# KiCad board forti EC.kicad_pcb (continued)
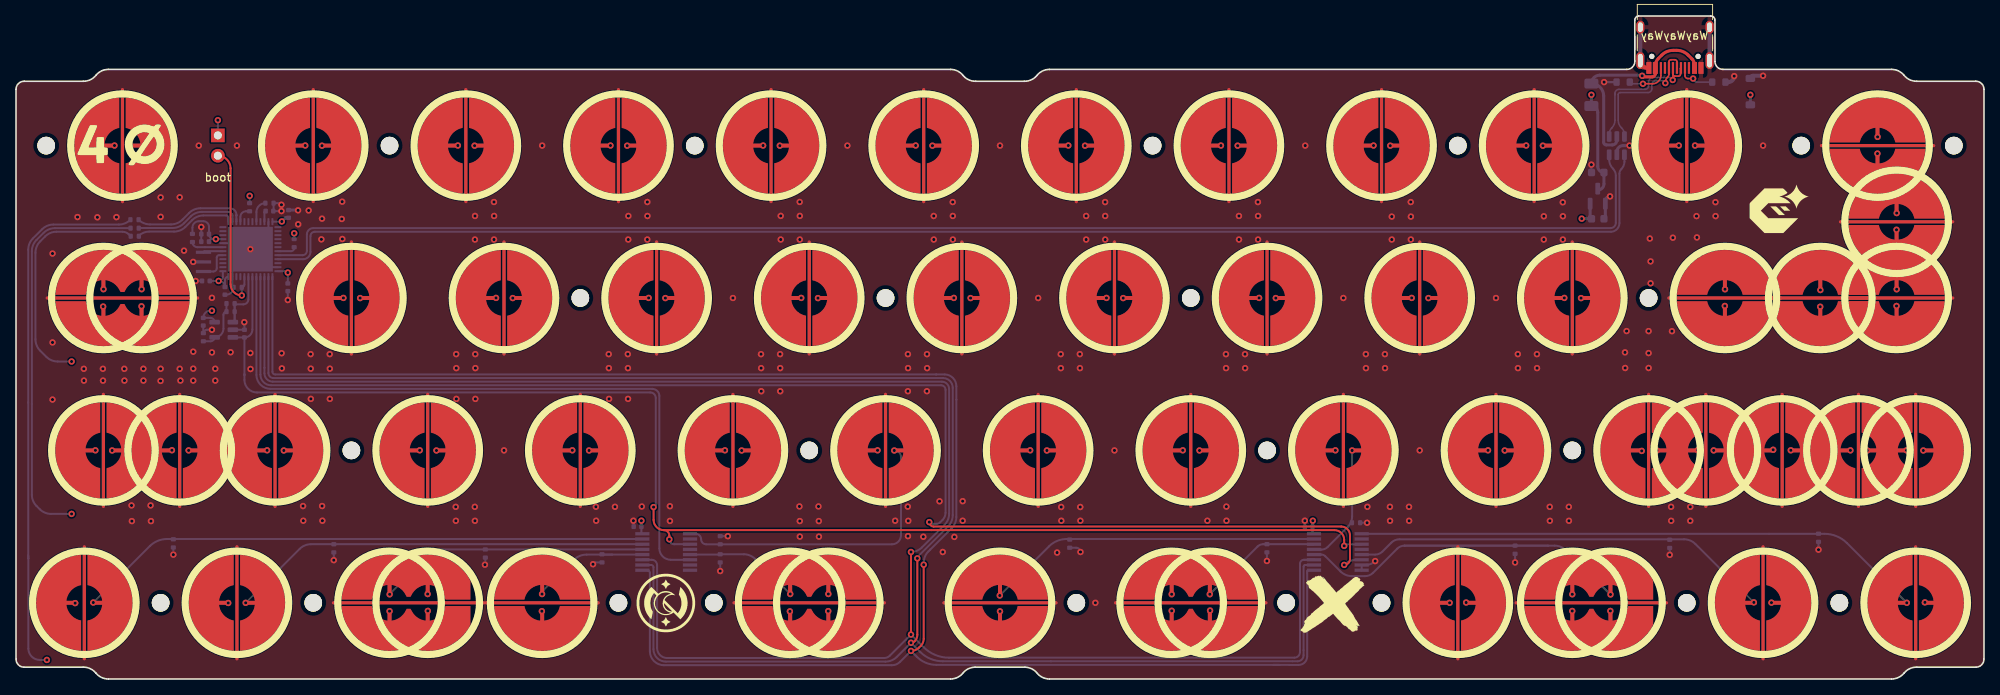
[diagram p0: board, top side]
## Routing (per net, layer and track width the routed paths; a pad name or vN(x,y) marks a point on that pad's centre or on a via; arc(x,y) is an arc through that point) (continued)
VBAT: length 30.8
  Bottom w0.25: C21.1 24.09,56.52 arc(23.88,57.02) 23.38,57.22 22.82,57.22 arc(22.25,56.99) 22.02,56.42 R24.1 ; C21.1 24.09,55.73 ; C21.1 arc(24.27,55.16) 24.72,54.98 v1(24.94,54.98) ; v1(25.29,49.76) C17.1 ; v1(25.29,49.76) 25.32,49.76 arc(25.86,49.53) C20.1 26.08,49.86 arc(26.21,50.16) U8.48 ; v1(25.29,49.76) arc(25.66,49.91) 25.82,50.29 U8.1 ; v1(24.94,54.98) 24.95,54.98 U8.9 ; v1(24.94,54.98) 24.4,54.98 arc(24.18,54.89) C22.1 ; U8.36 33.75,50.98 arc(33.87,50.92) v1(33.93,50.8) C19.1 ; v1(24.46,46.04) 24.27,46.04 arc(23.64,45.77) C3.2 24.26,45.14 arc(24.64,44.98) U3.5 ; v1(33.18,57.19) 33.17,57.19 33.17,57.16 U8.24 ; v1(78.06,19.79) C10.1 78.06,18.27 arc(78.1,18.18) U5.16 ; SW1.1 v1(25.19,69.85) ; R17.2 34.72,55.71 arc(34.72,55.71) v1(34.73,55.71) ; U7.16 arc(161.89,18.2) 161.83,18.33 C15.1 161.83,19.75 arc(161.84,19.78) v1(161.87,19.79)
  Bottom w0.381: U2.2 196.49,57.7 arc(196.54,57.58) C2.2 arc(196.66,57.54) 196.65,57.54 v1(195.44,57.54) ; C18.1 33.65,57.66 v1(33.18,57.19)
VBUS: length 27.9
  Top w0.381: J2.A4 209.53,76.72 arc(209.44,77.15) 209.2,77.51 208.71,78 arc(208.06,78.43) 207.3,78.58 206.85,78.58 arc(206.09,78.43) 205.44,78 204.99,77.55 arc(204.72,77.14) 204.63,76.66 J2.A9 204.63,75.66 arc(204.51,75.38) 204.23,75.27 203.12,75.27 arc(203.02,75.31) v1(202.98,75.4)
  Bottom w0.381: U1.5 199.82,67.34 arc(199.65,66.93) 199.24,66.76 198.49,66.76 arc(198.27,66.85) 198.18,67.08 198.18,72.89 arc(197.73,73.98) F1.1 arc(196.95,75.17) 197.7,75.48 202.91,75.48 arc(202.96,75.46) v1(202.98,75.4)
/CC1: length 4.8
  Top w0.2: J2.A5 208.33,75.42 arc(208.43,75.16) 208.69,75.06 v1(209.34,75.06)
  Bottom w0.2: R1.1 209.79,74.61 arc(209.47,74.74) v1(209.34,75.06)
/CC2: length 5.5
  Top w0.2: J2.B5 205.33,75.46 arc(205.02,74.71) 204.28,74.41 v1(203.08,74.41)
  Bottom w0.2: v1(203.08,74.41) 201.64,74.41 arc(201.5,74.47) R2.1
ADC: length 9.5
  Bottom w0.25: R6.1 27.29,44.83 ; R6.1 R26.1 27.29,44.83 ; R6.1 arc(27.32,46.86) 27.39,46.83 28.37,46.83 arc(28.82,47.02) 29.01,47.47 U8.43 ; 27.29,44.83 arc(27.23,44.67) U3.1
AMUX_SEL_0: length 242
  Top w0.25: v1(111.71,5.56) v1(111.71,15.88)
  Bottom w0.25: 160.87,14.9 U7.11 160.77,14.9 arc(160.42,14.75) 160.27,14.4 160.27,3.37 arc(160.06,2.87) 159.57,2.67 116.45,2.67 arc(114.74,3) 113.3,3.97 v1(111.71,5.56) 109.08,2.92 arc(108.75,2.7) 108.36,2.62 81.28,2.62 arc(80.39,2.99) 80.02,3.88 80.02,10.63 80.02,10.63 80.02,14.23 arc(79.82,14.7) 79.35,14.9 U5.11 ; U8.39 31.01,38.9 arc(31.01,38.89) 31.01,38.89 31.01,38.21 arc(31.31,37.47) 32.05,37.17 115.56,37.17 arc(116.21,36.9) 116.48,36.25 116.48,20.67 arc(116.32,19.91) 115.89,19.26 113.07,16.44 arc(112.45,16.02) v1(111.71,15.88)
AMUX_SEL_1: length 242.2
  Top w0.25: v1(112.51,15.08) 112.51,5.52 arc(112.42,5.08) 112.17,4.71 arc(111.97,4.58) 111.74,4.53 v1(111.71,4.53)
  Bottom w0.25: U5.10 79.28,14.25 arc(79.49,14.17) 79.57,13.96 79.57,12.44 79.57,12.44 79.57,3.72 arc(80.02,2.62) 81.12,2.17 108.52,2.17 arc(109.29,2.32) 109.94,2.76 v1(111.71,4.53) 112.86,3.38 arc(114.15,2.52) 115.68,2.22 129.18,2.22 129.18,2.21 159.34,2.21 159.97,2.21 arc(160.5,2.43) 160.72,2.97 160.72,3.59 160.72,14.05 arc(160.78,14.19) 160.93,14.25 U7.10 160.87,14.25 160.82,14.2 ; v1(112.51,15.08) 112.51,15.24 116.34,19.07 arc(116.77,19.72) 116.93,20.49 116.93,36.4 arc(116.57,37.26) 115.71,37.62 32.13,37.62 arc(31.69,37.8) 31.51,38.25 U8.38
AMUX_SEL_2: length 242
  Top w0.25: v1(113.3,14.29) 113.3,5.01 arc(113.21,4.55) 112.94,4.16 112.71,3.92 arc(112.25,3.61) v1(111.71,3.51)
  Bottom w0.25: U5.9 78.79,13.6 arc(79.02,13.5) 79.12,13.27 79.12,3.49 arc(79.64,2.24) 80.88,1.72 109.32,1.72 arc(109.88,1.83) 110.36,2.15 v1(111.71,3.51) 112.44,2.78 arc(113.56,2.03) 114.89,1.77 126,1.77 126,1.76 156.96,1.76 ; 161.17,13.49 161.17,2.83 arc(160.85,2.07) 160.09,1.75 158.95,1.75 158.94,1.76 156.96,1.76 ; 157.75,1.76 156.96,1.76 ; v1(113.3,14.29) 113.3,14.53 arc(113.45,15.29) 113.89,15.94 114.11,16.16 116.79,18.85 arc(117.22,19.5) 117.38,20.26 117.38,34.92 117.38,34.93 117.38,36.6 arc(116.95,37.64) 115.91,38.07 114.86,38.07 32.34,38.07 arc(32.1,38.17) 32.01,38.4 U8.37 ; U7.9 161.3,13.6 arc(161.21,13.56) 161.17,13.47
APLEX_EN_PIN_0: length 87.8
  Bottom w0.25: U5.6 81.73,14.9 arc(80.72,15.32) 80.31,16.33 80.31,35.38 arc(80.04,36.01) 79.41,36.27 31.76,36.27 arc(30.52,36.78) 30.01,38.02 U8.41
APLEX_EN_PIN_1: length 177
  Top w0.25: v1(165.79,14.26) arc(166.3,14.47) 166.51,14.99 166.51,17.96 arc(166.19,18.74) 165.42,19.06 114.55,19.06 arc(114.16,19.22) v1(114,19.61)
  Bottom w0.25: U8.40 30.51,38.05 arc(30.9,37.11) 31.84,36.72 115.46,36.72 arc(115.86,36.55) 116.03,36.15 116.03,20.79 arc(115.93,20.3) 115.65,19.88 115.36,19.59 arc(115.15,19.45) 114.89,19.4 114.51,19.4 arc(114.23,19.45) v1(114,19.61) ; v1(165.79,14.26) 165.82,14.29 arc(166.47,14.72) 167.23,14.88 167.97,14.88
APLEX_OUT_PIN_0: length 178.2
  Top w0.25: v1(79.58,21.49) 79.58,19.9 arc(79.96,18.98) 80.87,18.61 ; 80.87,18.61 115.04,18.61 115.05,18.61 164.58,18.61 arc(165.43,18.25) 165.79,17.4 v1(165.79,16.64) ; 80.87,18.61 arc(81.35,18.41) 81.55,17.93 v1(81.55,17.46)
  Bottom w0.25: 28.51,37.99 28.51,38.1 ; 28.51,38.1 C4.1 ; 28.51,38.1 28.51,37.39 arc(28.97,36.28) 30.08,35.82 79.17,35.82 arc(79.65,35.62) 79.86,35.13 79.86,21.76 arc(79.78,21.57) v1(79.58,21.49) ; C4.1 27.08,42.69 U3.3 ; C4.1 arc(29.21,42.98) 29.51,43.69 U8.42 ; v1(165.79,16.64) 165.97,16.82 167.97,16.82 ; U5.3 82.16,16.85 arc(81.73,17.03) v1(81.55,17.46)
BOOT0: length 21.7
  Top w0.25: v1(28.18,47.94) arc(27.19,48.35) 26.78,49.34 26.78,63.82 arc(26.32,64.95) SW1.2
  Bottom w0.25: U8.44 28.51,49.29 arc(28.41,49.06) R27.1 28.18,47.95 arc(28.18,47.94) v1(28.18,47.94)
BOOT1: length 3
  Bottom w0.25: U8.20 30.01,58.36 arc(30.33,59.15) R25.2
COL0: length 172
  In2.Cu w0.5: 13.29,50.8 12.5,50.8 arc(11.38,50.34) 10.92,49.21 v1(10.92,48.73) ; 13.29,50.8 14.05,50.8 arc(15.2,50.32) 15.67,49.17 v1(15.67,48.73) ; 13.29,50.8 13.29,53.98 arc(13.52,54.54) 14.08,54.77 17.26,54.77 ; 15.67,28.6 15.67,13.96 arc(14.37,10.83) 11.23,9.53 9.72,9.53 arc(9.68,9.53) v1(9.65,9.56) ; 15.67,28.6 15.67,34.89 arc(16.01,35.72) 16.84,36.06 22.72,36.06 arc(23.35,36.32) 23.61,36.95 23.61,53.98 arc(23.37,54.54) 22.81,54.77 17.26,54.77 ; 15.67,28.6 12.07,28.6 arc(12.03,28.59) v1(12,28.57) ; 15.67,28.6 v1(19.46,28.6) ; 17.26,54.77 17.64,54.77 arc(18.76,55.23) 19.23,56.36 19.23,60.91 arc(19.06,61.75) 18.59,62.45 14.38,66.66 v1(14.2,66.66)
  Bottom w0.25: U5.15 18.84,17.5 arc(17.68,17.27) 16.7,16.61 v1(9.65,9.56)
COL1: length 120.4
  In2.Cu w0.5: v1(28.67,9.52) 30.37,9.52 arc(35.14,11.5) 37.12,16.27 37.12,24.05 arc(36.96,24.81) 36.53,25.46 v1(33.43,28.57) 37.31,32.44 arc(37.74,33.09) 37.89,33.86 37.89,43.83 arc(38.05,44.6) 38.48,45.25 v1(40.87,47.63) 40.07,48.43 arc(39.63,49.08) 39.48,49.85 39.48,64.55 arc(39.33,65.31) 38.9,65.96 v1(38.19,66.67)
  Bottom w0.25: U5.14 36.82,16.85 arc(36.05,16.7) 35.41,16.26 v1(28.67,9.52)
COL2: length 106.6
  In2.Cu w0.5: 49.04,11.91 49.04,13.46 arc(49.28,14.04) 49.87,14.29 55.36,14.29 arc(55.92,14.52) 56.15,15.08 56.15,24.07 arc(56,24.83) 55.56,25.48 v1(52.48,28.57) 55.56,31.65 arc(56,32.3) 56.15,33.07 56.15,43.04 arc(56.3,43.81) 56.74,44.46 v1(59.92,47.63) 59.12,48.43 arc(58.68,49.08) 58.53,49.85 58.53,64.55 arc(58.38,65.31) 57.95,65.96 v1(57.24,66.67) ; 49.04,11.91 48.28,11.91 arc(47.52,11.75) 46.87,11.32 46.64,11.1 46.64,10.58 ; 49.04,11.91 49.8,11.91 arc(50.57,11.75) 51.21,11.32 51.42,11.11 51.42,10.57
  Bottom w0.25: 46.61,10.58 46.61,10.59 v1(46.64,10.59) 46.64,10.62 51.64,15.61 arc(52.28,16.05) 53.05,16.2 U5.13
  vias: v1(51.38,10.62)
COL3: length 81.6
  In2.Cu w0.5: v1(76.29,66.67) 77,65.96 arc(77.43,65.31) 77.58,64.55 77.58,49.85 arc(77.73,49.08) 78.17,48.43 v1(78.97,47.63) 75.79,44.46 arc(75.35,43.81) 75.2,43.04 75.2,33.07 arc(75.05,32.3) 74.61,31.65 v1(71.53,28.57) 73.03,27.07 arc(73.46,26.42) 73.61,25.65 73.61,15.08 arc(73.15,13.96) 72.03,13.49 69.36,13.49 arc(68.6,13.34) 67.95,12.91 v1(65.66,10.62)
  Bottom w0.25: 65.76,11.03 69.61,14.88 arc(70.35,15.38) 71.23,15.55 74.41,15.55 ; 74.41,15.55 73.18,15.55 R8.1 ; 74.41,15.55 U5.12
COL4: length 84.3
  In2.Cu w0.5: v1(95.34,66.67) 96.05,65.96 arc(96.48,65.31) 96.63,64.55 96.63,49.85 arc(96.78,49.08) 97.22,48.43 v1(98.02,47.63) 94.84,44.46 arc(94.4,43.81) 94.25,43.04 94.25,33.07 arc(94.1,32.3) 93.66,31.65 v1(90.58,28.57) 92.64,28.57 arc(93.4,28.41) 94.05,27.98 98.43,23.6 arc(98.86,22.96) 99.01,22.19 99.01,11.91 ; 99.01,11.91 99.77,11.91 arc(100.54,11.75) 101.19,11.32 101.4,11.11 v1(101.4,10.63) ; 99.01,11.91 98.25,11.91 arc(97.49,11.75) 96.84,11.32 96.64,11.12 v1(96.64,10.63)
  Bottom w0.25: v1(96.64,10.63) 92.26,15.01 arc(91.61,15.44) 90.85,15.59 R18.1 87.86,15.55 U5.5
COL5: length 80.7
  In2.Cu w0.5: v1(114.39,66.67) 115.1,65.96 arc(115.53,65.31) 115.68,64.55 115.68,49.85 arc(115.83,49.08) 116.27,48.43 v1(117.07,47.63) 113.09,43.66 arc(112.66,43.01) 112.51,42.25 112.51,32.27 arc(112.35,31.51) 111.92,30.86 v1(109.63,28.57)
  Bottom w0.25: U5.1 84.83,18.15 arc(85.32,17.95) 85.52,17.46 arc(85.7,17.02) 86.15,16.84 R9.1 109.33,16.84 arc(110.13,17.17) 110.46,17.97 110.46,27.73 arc(110.22,28.32) v1(109.63,28.57)
COL6: length 109.5
  In2.Cu w0.5: v1(122.8,10.43) 125.78,10.43 arc(129.87,12.13) 131.56,16.21 131.56,24.86 arc(131.4,25.62) 130.97,26.27 v1(128.68,28.57) 130.97,30.86 arc(131.4,31.51) 131.56,32.27 131.56,42.25 arc(131.71,43.01) 132.14,43.66 v1(136.12,47.63) 135.32,48.43 arc(134.88,49.08) 134.73,49.85 134.73,64.55 arc(134.58,65.31) 134.15,65.96 v1(133.44,66.67)
  Bottom w0.25: v1(122.8,10.43) 128.94,16.58 arc(129.96,17.26) 131.15,17.5 U7.15
COL7: length 82.4
  In2.Cu w0.5: 146.64,11.91 145.88,11.91 arc(145.11,11.75) 144.46,11.32 144.25,11.11 v1(144.25,10.59) ; 146.64,11.91 147.4,11.91 arc(148.16,11.75) 148.81,11.32 149.01,11.12 v1(149.01,10.59) ; 146.64,11.91 149.23,14.5 arc(149.66,15.14) 149.81,15.91 149.81,25.65 arc(149.66,26.42) 149.23,27.07 v1(147.73,28.57) 151.61,32.44 arc(152.04,33.09) 152.19,33.86 152.19,43.83 arc(152.35,44.6) 152.78,45.25 v1(155.17,47.63) 154.37,48.43 arc(153.93,49.08) 153.78,49.85 153.78,64.55 arc(153.63,65.31) 153.2,65.96 v1(152.49,66.67)
  Bottom w0.25: v1(149.01,10.59) 154.97,16.55 arc(155.3,16.77) 155.69,16.85 U7.14
COL8: length 84.3
  In2.Cu w0.5: v1(171.54,66.67) 172.25,65.96 arc(172.68,65.31) 172.83,64.55 172.83,49.85 arc(172.98,49.08) 173.42,48.43 v1(174.22,47.63) 170.24,43.66 arc(169.81,43.01) 169.66,42.25 169.66,32.27 arc(169.5,31.51) 169.07,30.86 v1(166.78,28.57) 172.25,23.1 arc(172.68,22.45) 172.83,21.68 172.83,18.26 ; 172.83,17.5 172.83,18.26 ; 172.83,18.26 172.83,11.91 arc(173.53,10.22) 175.21,9.53 v1(178.95,9.53)
  Bottom w0.25: 162.02,16.17 162.94,16.17 arc(163.36,16.26) 163.72,16.5 166.24,19.01 arc(166.64,19.61) 166.78,20.32 v1(166.78,28.57)
COL9: length 138.1
  In2.Cu w0.5: 199.03,10.57 199.02,10.57 v1(199.03,10.57) 199.03,10.57 199.03,10.57 199.03,11.11 198.82,11.32 arc(198.17,11.75) 197.41,11.91 196.65,11.91 ; 196.65,11.91 195.89,11.91 arc(195.12,11.75) 194.47,11.32 194.22,11.07 194.22,10.63 194.2,10.61 194.26,10.54 v1(194.26,10.59) 194.22,10.59 194.22,10.58 ; 196.65,11.91 arc(196.18,13.03) 195.06,13.49 194.26,13.49 arc(193.14,13.96) 192.68,15.08 192.68,20.89 arc(192.52,21.66) 192.09,22.3 v1(185.83,28.57) 188.12,30.86 arc(188.55,31.51) 188.71,32.27 188.71,42.25 arc(188.86,43.01) 189.29,43.66 v1(193.27,47.63) 192.47,48.43 arc(192.03,49.08) 191.88,49.85 191.88,64.55 arc(191.73,65.31) 191.3,65.96 v1(190.59,66.67)
  Bottom w0.25: 173.31,16.67 R14.1 191.25,16.67 ; 191.25,16.67 192.07,16.67 arc(192.83,16.52) 193.48,16.08 ; 191.25,16.67 173.31,16.67 arc(172.82,16.57) 172.41,16.3 169.38,13.27 arc(168.93,12.96) 168.39,12.86 166.76,12.86 arc(165.99,13.01) 165.33,13.45 163.42,15.36 arc(163.2,15.5) 162.95,15.55 U7.12 ; 193.48,16.08 198.97,10.59 arc(199,10.57) v1(199.03,10.57) ; 193.48,16.08 198.96,10.61
COL10: length 147.1
  In2.Cu w0.5: v1(204.81,28.57) 209.89,28.57 v1(209.92,28.6) ; 201.94,45.24 201.94,54.77 arc(202.04,55.26) 202.31,55.68 202.41,55.77 arc(203.06,56.2) 203.82,56.36 209.31,56.36 arc(210.46,56.83) 210.93,57.98 210.93,64.51 arc(210.78,65.27) 210.35,65.92 v1(209.58,66.68) ; 201.94,45.24 211.69,45.24 arc(212.46,45.4) 213.1,45.83 arc(213.25,46.05) 213.3,46.31 v1(213.3,46.63) ; 201.94,45.24 201.94,39.19 arc(202.49,37.86) 203.82,37.31 206.17,37.31 arc(207.29,36.84) 207.76,35.72 207.76,28.58 ; 207.82,28.51 207.76,28.58 ; 207.76,28.58 207.76,13.49 arc(208.22,12.37) 209.34,11.91 214.6,11.91 arc(216.24,11.22) v1(216.93,9.58)
  Bottom w0.25: U7.5 169.66,15.55 arc(170.14,15.65) 170.56,15.92 171.67,17.04 arc(172.14,17.35) 172.69,17.46 208.21,17.46 arc(208.98,17.31) 209.63,16.88 v1(216.93,9.58)
COL11: length 195
  In2.Cu w0.5: 233.51,35.07 233.51,43.62 arc(233.66,44.39) 234.09,45.04 234.3,45.24 234.74,45.24 ; 233.51,35.07 233.5,35.06 236.95,35.06 arc(237.72,34.91) 238.37,34.48 arc(238.62,34.09) 238.71,33.64 238.71,30.03 arc(238.56,29.26) 238.13,28.61 v1(238.08,28.57) 238.13,28.52 arc(238.56,27.87) 238.71,27.1 238.71,18.26 arc(238.48,17.69) 237.92,17.46 234.74,17.46 arc(233.62,17) 233.16,15.88 233.16,10.32 arc(233.39,9.76) 233.95,9.53 v1(236.01,9.53) ; 233.51,35.07 229.98,35.07 ; 235.54,45.24 234.74,45.24 ; 235.54,45.24 240.27,45.24 arc(240.73,45.34) 241.12,45.6 241.33,45.8 arc(241.74,46.42) 241.89,47.15 241.89,60.33 arc(241.42,61.45) 240.3,61.91 234.75,61.91 ; 235.54,45.24 arc(234.97,45.48) 234.73,46.05 v1(234.73,46.63) ; 234.74,45.24 226.84,45.24 arc(226.08,45.4) 225.43,45.83 arc(225.27,46.07) 225.21,46.36 v1(225.21,46.53) ; v1(232.35,65.68) 234.17,63.86 arc(234.6,63.21) 234.75,62.45 234.75,61.91 ; 229.98,35.07 229.33,35.07 228.98,34.72 arc(228.55,34.07) 228.39,33.3 228.39,29.16 arc(228.56,28.75) v1(228.98,28.58) ; 229.98,35.07 223.81,35.07 arc(223.05,34.92) 222.4,34.48 arc(222.14,34.09) 222.04,33.63 222.04,29.09 arc(221.9,28.73) v1(221.54,28.59) ; 234.75,61.91 v1(234.75,58.24)
  Bottom w0.25: U7.1 225.74,18.15 arc(227.26,17.85) 228.55,16.99 v1(236.01,9.53)
D_N: length 178.9
  Bottom w0.25: U1.3 198.87,64.91 arc(198.99,64.31) 199.33,63.8 arc(199.6,63.4) 199.69,62.92 199.69,57.03 arc(199.5,56.55) 199.03,56.36 37.1,56.36 arc(36.54,56.12) 36.31,55.56 36.31,53.52 arc(36.15,53.13) 35.76,52.98 U8.32
D_P: length 179.6
  Bottom w0.25: U8.33 32.7,52.47 35.83,52.47 arc(36.48,52.74) 36.76,53.4 36.76,55.36 arc(36.92,55.75) 37.3,55.91 199.07,55.91 arc(199.83,56.22) 200.14,56.98 200.14,63.17 arc(200.21,63.47) 200.38,63.73 arc(200.67,64.17) 200.77,64.68 U1.1
D_USB_N: length 18.5
  Top w0.2: 206.83,75.59 206.83,74.91 arc(206.82,74.89) v1(206.8,74.88) ; 206.83,75.59 J2.A7 ; 206.83,75.59 arc(206.89,75.42) 207.06,75.36 207.54,75.36 arc(207.7,75.42) 207.77,75.58 207.77,76.32 J2.B7
  Bottom w0.2: 199.59,73.03 199.59,69.85 arc(199.49,69.33) 199.19,68.89 199.19,68.89 arc(198.95,68.53) 198.87,68.11 U1.4 198.87,68.29 ; 199.59,73.03 199.59,73.21 arc(199.73,73.56) 200.08,73.71 203.37,73.71 arc(203.67,73.83) 203.79,74.12 203.79,74.61 arc(203.96,75.02) 204.36,75.19 206.49,75.19 arc(206.71,75.1) v1(206.8,74.88) ; 199.59,73.03 199.59,73.23
D_USB_P: length 18
  Top w0.2: J2.A6 207.33,77.16 arc(207.25,77.33) 207.08,77.41 206.57,77.41 arc(206.4,77.34) 206.33,77.16 J2.B6 206.33,75.61 arc(206.29,75.41) 206.17,75.24 206.1,75.17 arc(205.93,74.92) 205.88,74.64 v1(205.88,74.49)
  Bottom w0.2: 200.77,68.23 U1.6 200.77,68.05 arc(200.68,68.49) 200.43,68.87 200.37,68.93 arc(200.09,69.35) 199.99,69.85 199.99,73.05 arc(200.07,73.23) 200.25,73.31 203.71,73.31 arc(204.05,73.45) 204.19,73.79 204.19,74.28 arc(204.34,74.64) 204.7,74.79 205.58,74.79 arc(205.79,74.7) v1(205.88,74.49)
NRST: length 4.2
  Bottom w0.25: U8.7 22.66,53.98 arc(22.21,54.16) R24.2
ROW0: length 350.3
  In1.Cu w0.5: 109.33,58.74 108.33,59.74 arc(107.9,60.39) 107.74,61.15 107.74,61.3 arc(107.9,62.06) 108.33,62.71 v1(112.3,66.68) ; 109.33,58.74 90.28,58.74 ; 109.33,58.74 129.18,58.74 ; 205.38,58.74 204.37,59.74 arc(203.94,60.39) 203.79,61.15 203.79,62.09 arc(203.94,62.86) 204.37,63.51 v1(207.55,66.68) ; 205.38,58.74 185.53,58.74 ; 205.38,58.74 223.6,58.74 arc(224.74,59.21) 225.22,60.36 225.22,67.47 arc(225.68,68.59) 226.81,69.06 230.74,69.06 arc(231.51,68.9) 232.15,68.47 arc(232.32,68.23) 232.37,67.94 v1(232.37,67.77) ; 185.53,58.74 166.48,58.74 ; 185.53,58.74 184.53,59.74 arc(184.1,60.39) 183.94,61.15 183.94,61.3 arc(184.1,62.06) 184.53,62.71 v1(188.5,66.68) ; 90.28,58.74 89.28,59.74 arc(88.85,60.39) 88.69,61.15 88.69,61.3 arc(88.85,62.06) 89.28,62.71 v1(93.25,66.68) ; 90.28,58.74 71.23,58.74 ; 53.77,58.74 38.72,58.74 arc(37.96,58.89) 37.31,59.32 36.82,59.81 arc(36.18,60.24) 35.41,60.39 32.34,60.39 ; 53.77,58.74 53.01,58.74 arc(52.24,58.89) 51.6,59.32 51.07,59.85 arc(50.64,60.49) 50.49,61.26 arc(50.63,61.96) 51.02,62.56 v1(55.15,66.68) ; 53.77,58.74 71.23,58.74 ; 166.48,58.74 165.48,59.74 arc(165.05,60.39) 164.89,61.15 164.89,61.3 arc(165.05,62.06) 165.48,62.71 v1(169.45,66.68) ; 166.48,58.74 147.43,58.74 ; v1(12.29,66.68) 7.52,61.92 arc(7.09,61.27) 6.94,60.5 6.94,59.88 arc(7.27,59.07) 8.08,58.74 19.6,58.74 arc(20.37,58.89) 21.02,59.32 21.5,59.81 arc(22.15,60.24) 22.92,60.39 32.34,60.39 ; v1(36.1,66.68) 32.23,62.81 arc(31.82,62.19) 31.67,61.46 ; v1(131.35,66.68) 127.38,62.71 arc(126.95,62.06) 126.79,61.3 126.79,61.15 arc(126.95,60.39) 127.38,59.74 128.38,58.74 129.18,58.74 ; 71.23,58.74 70.23,59.74 arc(69.8,60.39) 69.64,61.15 69.64,61.3 arc(69.8,62.06) 70.23,62.71 v1(74.2,66.68) ; 129.18,58.74 147.43,58.74 ; 32.34,60.39 31.95,60.78 arc(31.74,61.09) 31.67,61.46 ; 32.34,60.39 32.27,60.39 32.13,60.53 ; 147.43,58.74 146.43,59.74 arc(146,60.39) 145.84,61.15 145.84,61.3 arc(146,62.06) 146.43,62.71 v1(150.4,66.68) ; 31.67,61.25 31.67,61.46
  Bottom w0.25: v1(29.16,60.39) 29.16,59.49 29.15,59.47
ROW1: length 397.1
  In1.Cu w0.5: v1(62,47.62) 66.68,42.94 arc(67.11,42.29) 67.26,41.53 67.26,41.31 arc(67.11,40.54) 66.68,39.9 66.51,39.73 66.47,39.73 ; v1(157.25,47.62) 161.93,42.94 arc(162.36,42.29) 162.51,41.53 162.51,41.35 arc(162.36,40.58) 161.93,39.93 161.72,39.73 ; 161.72,39.73 180.77,39.73 ; 161.72,39.73 141.88,39.73 ; 180.77,39.73 180.81,39.73 180.98,39.9 arc(181.41,40.54) 181.56,41.31 181.56,41.53 arc(181.41,42.29) 180.98,42.94 v1(176.3,47.62) ; 180.77,39.73 198.23,39.73 ; 123.62,39.73 141.88,39.73 ; 123.62,39.73 123.66,39.73 123.83,39.9 arc(124.26,40.54) 124.41,41.31 124.41,41.53 arc(124.26,42.29) 123.83,42.94 v1(119.15,47.62) ; 123.62,39.73 104.57,39.73 ; 141.88,39.73 142.71,39.73 142.88,39.9 arc(143.31,40.54) 143.46,41.31 143.46,41.53 arc(143.31,42.29) 142.88,42.94 v1(138.2,47.62) ; 13.29,45.24 14.05,45.24 arc(14.81,45.4) 15.46,45.83 arc(15.6,46.04) 15.65,46.28 15.65,46.61 ; 13.29,45.24 13.29,42.14 arc(13.44,41.38) 13.87,40.73 14.88,39.73 15.67,39.73 ; 13.29,45.24 12.53,45.24 arc(11.76,45.4) 11.11,45.83 arc(10.92,46.12) 10.85,46.46 10.85,46.61 ; 198.23,39.73 198.49,39.99 arc(198.89,40.58) 199.03,41.28 199.03,41.79 arc(198.64,43.72) 197.55,45.36 195.4,47.51 arc(195.36,47.56) v1(195.35,47.62) ; 198.23,39.73 204.25,39.73 arc(205.23,40.13) 205.64,41.11 205.64,51.9 arc(205.78,52.59) 206.17,53.18 206.38,53.39 arc(207.03,53.82) 207.79,53.98 212.52,53.98 ; 212.52,53.98 224.43,53.98 ; 212.52,53.98 212.73,53.77 arc(213.16,53.12) 213.31,52.35 213.31,48.73 v1(213.32,48.72) ; 66.47,39.73 85.52,39.73 ; 66.47,39.73 47.42,39.73 ; 85.52,39.73 104.57,39.73 ; 85.52,39.73 85.56,39.73 85.73,39.9 arc(86.16,40.54) 86.31,41.31 86.31,41.53 arc(86.16,42.29) 85.73,42.94 v1(81.05,47.62) ; 230.78,53.98 232.56,53.98 arc(234.1,54.61) v1(234.73,56.15) ; 230.78,53.98 224.43,53.98 ; 230.78,53.98 233.16,53.98 arc(234.28,53.51) 234.74,52.39 234.74,48.73 v1(234.75,48.72) ; 224.43,53.98 224.63,53.77 arc(225.07,53.12) 225.22,52.35 225.22,48.63 v1(225.23,48.62) ; 104.57,39.73 104.61,39.73 104.78,39.9 arc(105.21,40.54) 105.36,41.31 105.36,41.53 arc(105.21,42.29) 104.78,42.94 v1(100.1,47.62) ; 47.42,39.73 15.67,39.73 ; 47.42,39.73 47.46,39.73 47.63,39.9 arc(48.06,40.54) 48.21,41.31 48.21,41.53 arc(48.06,42.29) 47.63,42.94 v1(42.95,47.62) ; 15.67,39.73 6.98,39.73 v1(6.94,39.69)
  Bottom w0.25: R19.2 14.08,55.58 arc(13.72,55.82) 13.29,55.91 5.05,55.91 arc(4.28,55.75) 3.63,55.32 3.01,54.7 arc(2.58,54.05) 2.43,53.29 2.43,42.46 arc(2.58,41.69) 3.01,41.04 3.78,40.27 arc(4.43,39.84) 5.2,39.69 v1(6.94,39.69)
  vias: v1(10.87,46.55) v1(15.66,46.58)
ROW2: length 425.9
  In1.Cu w0.5: v1(107.54,28.58) 103.57,24.61 arc(103.13,23.96) 102.98,23.2 102.98,23.05 arc(103.13,22.29) 103.57,21.64 104.57,20.64 ; 142.67,20.64 141.67,21.64 arc(141.23,22.29) 141.08,23.05 141.08,23.2 arc(141.23,23.96) 141.67,24.61 v1(145.64,28.58) ; 142.67,20.64 123.62,20.64 ; 142.67,20.64 161.72,20.64 ; 215.69,26.99 214.14,26.99 arc(213.38,27.14) 212.73,27.57 212.04,28.26 arc(211.94,28.4) v1(211.91,28.58) ; 215.69,26.99 215.69,23.05 arc(215.85,22.29) 216.28,21.64 217.28,20.64 ; 215.69,26.99 216.84,26.99 arc(217.61,27.14) 218.25,27.57 v1(219.34,28.65) ; 217.28,20.64 232.44,20.64 arc(232.71,20.69) 232.94,20.85 arc(233.37,21.49) 233.52,22.26 233.52,26.99 ; 217.28,20.64 199.82,20.64 ; 26.78,26.99 23.64,26.99 arc(22.88,27.14) 22.23,27.57 21.78,28.02 arc(21.61,28.28) v1(21.55,28.58) ; 26.78,26.99 29.13,26.99 arc(29.89,27.14) 30.54,27.57 31.34,28.37 v1(31.34,28.58) ; 26.78,26.99 26.78,23.05 arc(26.93,22.29) 27.37,21.64 28.37,20.64 ; v1(183.74,28.58) 179.77,24.61 arc(179.33,23.96) 179.18,23.2 179.18,23.05 arc(179.33,22.29) 179.77,21.64 180.77,20.64 ; v1(69.44,28.58) 65.47,24.61 arc(65.03,23.96) 64.88,23.2 64.88,23.05 arc(65.03,22.29) 65.47,21.64 66.47,20.64 ; 47.42,20.64 66.47,20.64 ; 47.42,20.64 28.37,20.64 ; 47.42,20.64 46.42,21.64 arc(45.98,22.29) 45.83,23.05 45.83,23.2 arc(45.98,23.96) 46.42,24.61 v1(50.39,28.58) ; 66.47,20.64 85.52,20.64 ; 199.82,20.64 180.77,20.64 ; 199.82,20.64 198.82,21.64 arc(198.38,22.29) 198.23,23.05 arc(198.37,23.76) 198.77,24.35 v1(202.93,28.51) ; 233.52,26.99 233.48,26.99 arc(232.71,27.14) 232.06,27.57 v1(231.07,28.57) 231.08,28.58 ; 233.52,26.99 233.56,26.99 arc(234.33,27.14) 234.98,27.57 v1(235.99,28.58) 235.98,28.58 ; 104.57,20.64 123.62,20.64 ; 104.57,20.64 85.52,20.64 ; 123.62,20.64 122.62,21.64 arc(122.18,22.29) 122.03,23.05 122.03,23.2 arc(122.18,23.96) 122.62,24.61 v1(126.59,28.58) ; v1(164.69,28.58) 160.72,24.61 arc(160.28,23.96) 160.13,23.2 160.13,23.05 arc(160.28,22.29) 160.72,21.64 161.72,20.64 ; 161.72,20.64 180.77,20.64 ; 28.37,20.64 7.77,20.64 arc(6.06,21.35) 5.35,23.05 5.35,23.2 arc(5.5,23.96) 5.94,24.61 v1(9.91,28.58) ; 85.52,20.64 84.52,21.64 arc(84.08,22.29) 83.93,23.05 83.93,23.2 arc(84.08,23.96) 84.52,24.61 v1(88.49,28.58)
  Bottom w0.25: R20.2 4.86,56.36 arc(4.09,56.2) 3.44,55.77 2.56,54.89 arc(2.13,54.24) 1.98,53.47 1.98,23.04 arc(2.13,22.27) 2.56,21.63 2.96,21.22 arc(3.61,20.79) 4.38,20.64 v1(6.94,20.64)
ROW3: length 414.3
  In1.Cu w0.5: 26.51,9.52 22.35,5.36 arc(21.95,4.77) 21.81,4.06 arc(21.97,3.3) 22.4,2.65 22.56,2.48 arc(22.68,2.41) 22.81,2.38 ; 50.59,2.38 50.11,2.38 arc(49.85,2.43) 49.62,2.59 ; 50.59,2.38 22.81,2.38 ; 50.59,2.38 100.6,2.38 ; 100.6,2.38 145.05,2.38 ; 100.6,2.38 100.33,2.38 arc(99.93,2.46) 99.59,2.69 arc(99.16,3.33) 99.01,4.1 99.01,7.2 ; 145.05,2.38 149.81,2.38 ; 145.05,2.38 144.85,2.59 arc(144.41,3.24) 144.26,4 v1(144.26,8.52) ; v1(122.82,8.46) 122.82,4 arc(122.98,3.24) 123.41,2.59 ; 219.16,9.5 223.32,5.34 arc(223.72,4.75) 223.86,4.04 arc(223.71,3.28) 223.28,2.63 223.16,2.52 arc(223.01,2.42) 222.84,2.38 ; 49.03,7.1 49.03,4 arc(49.19,3.23) 49.62,2.59 ; 49.03,7.1 48.27,7.1 arc(47.51,7.25) 46.86,7.69 arc(46.67,7.98) 46.6,8.32 46.6,8.46 ; 49.03,7.1 49.79,7.1 arc(50.56,7.25) 51.21,7.69 arc(51.35,7.9) 51.4,8.14 51.4,8.47 ; 183.94,2.38 184.44,2.38 arc(184.82,2.46) 185.15,2.68 arc(185.58,3.32) 185.73,4.09 arc(185.59,4.79) 185.2,5.39 181.04,9.55 ; 183.94,2.38 149.81,2.38 ; 183.94,2.38 198.23,2.38 ; 149.81,2.38 149.63,2.56 arc(149.2,3.21) 149.05,3.98 v1(149.05,8.55) ; 197.13,2.87 197.18,2.82 arc(197.66,2.49) 198.23,2.38 ; 196.67,7.25 195.91,7.25 arc(195.14,7.4) 194.49,7.83 arc(194.3,8.12) 194.23,8.46 ; 196.67,7.25 196.67,4.14 arc(196.82,3.38) 197.25,2.73 ; 196.67,7.25 197.43,7.25 arc(198.19,7.4) 198.84,7.83 arc(198.98,8.04) 199.03,8.29 ; 99.01,7.2 98.25,7.2 arc(97.48,7.35) 96.84,7.79 arc(96.64,8.08) 96.57,8.42 ; 99.01,7.2 99.77,7.2 arc(100.53,7.35) 101.18,7.79 arc(101.32,8) 101.37,8.24 ; v1(65.64,8.48) 65.64,2.42 ; 49.62,2.59 49.62,2.56 ; 22.81,2.38 v1(3.85,2.38) arc(3.54,2.44) 3.28,2.62 arc(2.85,3.27) 2.69,4.03 arc(2.83,4.73) 3.23,5.33 7.39,9.49 ; 198.23,2.38 222.84,2.38 ; 238.28,9.58 242.44,5.42 arc(242.84,4.83) 242.98,4.12 arc(242.83,3.36) 242.39,2.71 arc(242.03,2.47) 241.6,2.38 222.84,2.38
  In2.Cu w0.5: 65.68,8.44 arc(65.66,8.47) v1(65.64,8.48)
  Bottom w0.25: v1(3.85,2.38) 2.97,2.38 arc(1.96,2.8) 1.54,3.81 1.54,15.08 ; 1.54,15.08 1.53,15.09 1.53,53.66 arc(1.68,54.42) 2.11,55.07 3.26,56.22 arc(3.91,56.65) 4.67,56.81 12.84,56.81 arc(13.61,56.96) 14.26,57.39 R21.1 ; 1.54,15.08 1.54,15.46
  vias: v1(7.38,9.49) v1(26.49,9.5) v1(46.63,8.48) v1(51.4,8.51) v1(96.6,8.45) v1(101.38,8.48) v1(181.01,9.56) v1(194.26,8.5) v1(199.01,8.5) v1(219.12,9.54) v1(238.28,9.58)
XTAL0: length 4.2
  Bottom w0.25: U8.5 25.33,52.98 arc(25.14,52.89) 25.06,52.7 25.06,51.34 arc(24.94,51.06) 24.65,50.94 Y1.3
XTAL1: length 2.5
  Bottom w0.25: U8.6 23.54,53.48 arc(23.44,53.43) Y1.1
Net-(U3--): length 6.8
  Bottom w0.25: R23.1 24.3,42.22 arc(24.65,42.36) U3.4 arc(25.57,43.03) 25.89,43.81 25.89,45.54 arc(26,45.81) R26.2 R6.2
Net-(U8-PA3): length 12.7
  Bottom w0.25: U8.13 26.51,57.7 arc(26.43,57.87) 26.26,57.94 23.4,57.94 arc(22.63,57.79) 21.98,57.36 21.14,56.51 arc(20.49,56.08) 19.72,55.92 16.6,55.92 arc(15.91,55.79) 15.33,55.4 R19.1
Net-(U8-PA4): length 13.3
  Bottom w0.25: 15.39,56.37 19.54,56.37 arc(20.3,56.53) 20.95,56.96 21.8,57.81 arc(22.45,58.24) 23.21,58.39 26.54,58.39 arc(26.88,58.25) 27.02,57.91 27.02,57.17 arc(27.01,57.17) U8.14
Net-(U8-PA5): length 14.4
  Bottom w0.25: R21.2 15.3,57.41 arc(15.95,56.98) 16.72,56.82 19.35,56.82 arc(20.12,56.98) 20.76,57.41 21.61,58.26 arc(22.26,58.69) 23.03,58.84 26.71,58.84 arc(27.27,58.61) 27.51,58.04 27.51,57.95 arc(27.51,57.94) 27.51,57.94 ; 27.51,57.94 U8.15 arc(27.51,57.16) 27.51,57.16 ; 27.51,57.94 27.51,57.97
Net-(U8-PA6): length 2.1
  Bottom w0.25: R22.2 28.7,58.46 arc(28.21,58.26) 28.01,57.77 U8.16
Net-(U8-PA10): length 2.4
  Bottom w0.25: U8.31 34.34,53.48 arc(34.61,53.59) 34.72,53.86 R17.1
Net-(U8-VCAP1): length 1.4
  Bottom w0.25: U8.22 31.01,58.34 arc(31.05,58.44) C16.1

## Copper pours and planes (outline as drawn; the poured copper is in the pictures)
GND on Top, Bottom, In1.Cu: -7.35,87.31 249.03,87.31 252.21,-7.94 -4.17,-7.94
VBAT on Bottom: 194.97,60.06 197.35,60.06 197.35,56.88 194.97,56.88
VBAT on In2.Cu: -6.56,87.31 249.03,87.31 252.21,-7.94 -4.17,-8.73
VBAT on In2.Cu: 194.96,60.05 197.34,60.05 197.34,56.87 194.96,56.87

## Text on the board
B.Silkscreen: design by xonuss & xezioh | pcb by calvin0563 | 1 | step | 1.25 | 1.5 | 1.75 | 2.25 | boot | (1.5) | 2.75 | 7 / 6 | ISO | EC
User.Comments: centre
F.Silkscreen: boot | WayWayWay
